# Altium PCB VHDCI_Carrier.PCBDOC (part 3 of 7) (continued)
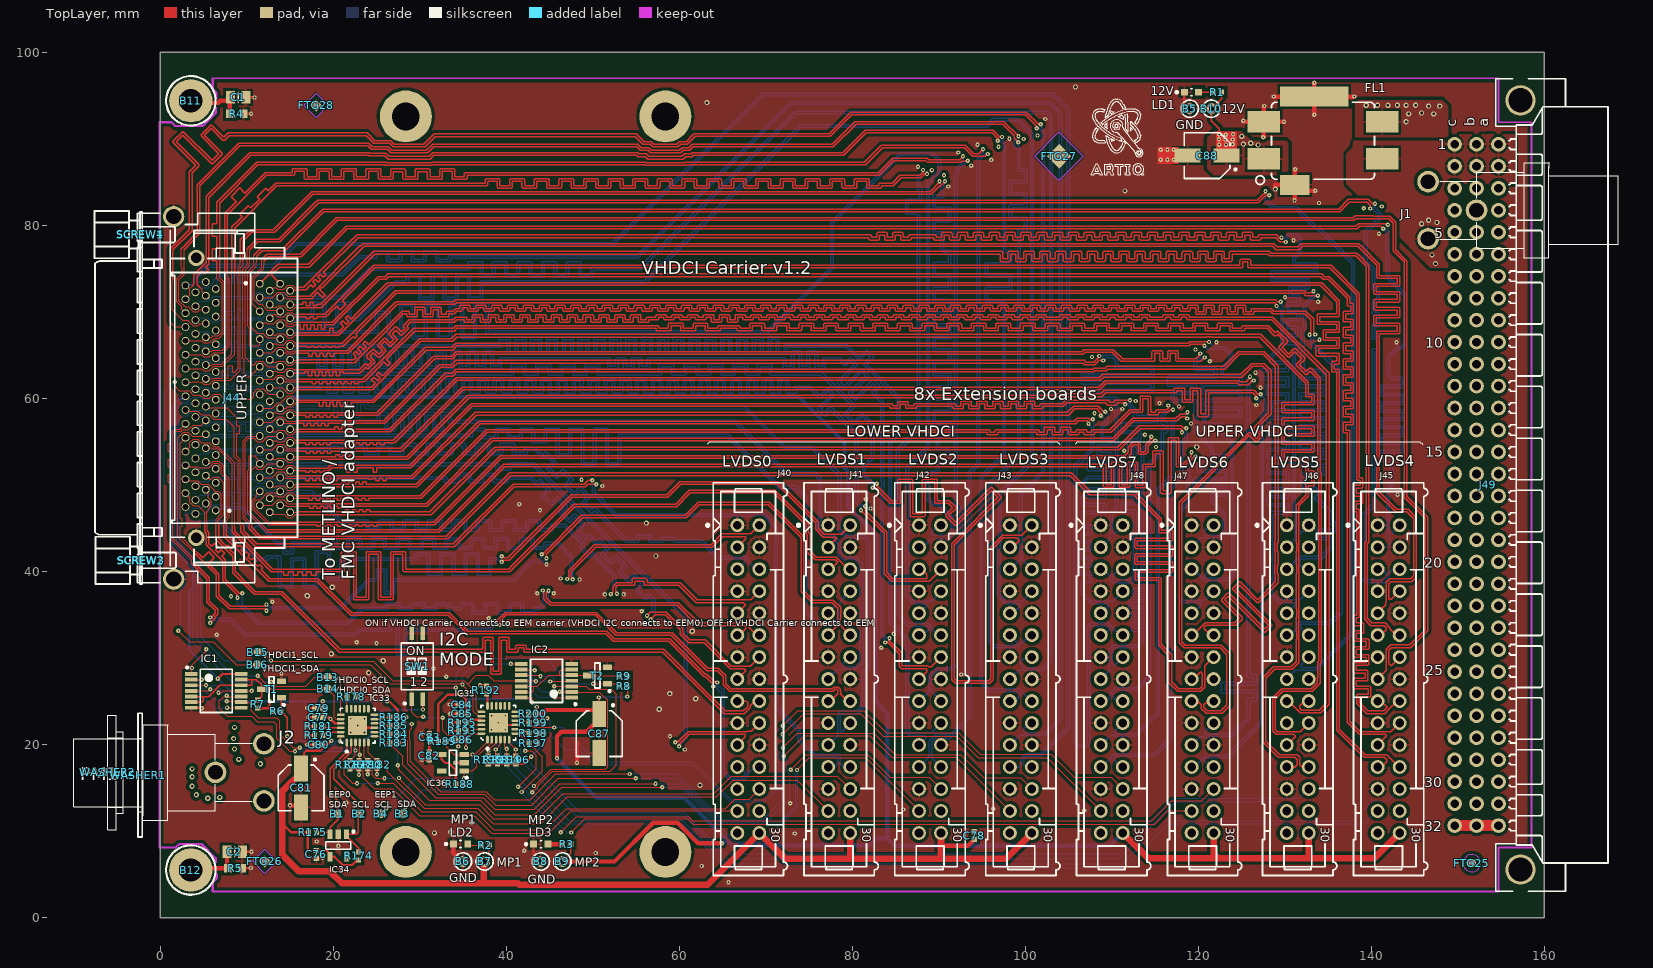
[diagram p0: TopLayer view]
## Nets (pads, with @x,y where several pads share a name; then routed paths per layer and width w, separated by ;. In a path a pad name is that pad's centre, name@x,y a point inside that pad or via, vN(x,y) a via of type N, cw(c..) or ccw(c..) an arc to the next point about the centre after c; other vN are vias at no path point) (continued)
  BottomLayer w0.152: J42.17@87.715,25.036 88.821,26.142 88.821,27.083 88.845,27.108 88.845,27.98 88.9,28.035 88.9,28.071 89.734,28.905 91.335,28.905 91.806,29.376 91.806,42.937 92.4,43.531 92.4,47.206 91.806,47.8 91.806,85.984 92.046,86.224 92.046,86.6 92.039,86.607 92.8,87.368 v1(92.8,88)
LVDS2_6_N: J42.21 J44.L59 | length 189.3
  BottomLayer w0.127: J44.L59@4.095,65.871 4.335,66.111 5.56,66.111 6.041,65.63 6.71,65.63 6.991,65.911 11.929,65.911 12.41,65.43 13.128,65.43 13.61,65.911 14.278,65.911 14.76,65.43 15.29,65.43 15.804,65.944 16.003,65.944 16.028,65.919
  BottomLayer w0.152: 16.028,65.919 39.357,65.919 ccw(c39.357,66.071) 39.51,66.071 39.51,66.807 40.119,66.807 40.119,65.264 ccw(c40.272,65.264) 40.272,65.111 41.186,65.111 ccw(c41.186,65.264) 41.338,65.264 41.338,66.807 41.948,66.807 41.948,65.264 ccw(c42.1,65.264) 42.1,65.111 43.015,65.111 ccw(c43.015,65.264) 43.167,65.264 43.167,66.807 43.777,66.807 43.777,65.264 ccw(c43.929,65.264) 43.929,65.111 44.844,65.111 ccw(c44.844,65.264) 44.996,65.264 44.996,66.807 45.606,66.807 45.606,65.264 ccw(c45.758,65.264) 45.758,65.111 46.672,65.111 ccw(c46.672,65.264) 46.825,65.264 46.825,66.807 47.434,66.807 47.434,65.264 ccw(c47.587,65.264) 47.587,65.111 48.501,65.111 ccw(c48.501,65.264) 48.654,65.264 48.654,66.807 49.263,66.807 49.263,65.264 ccw(c49.416,65.264) 49.416,65.111 50.33,65.111 ccw(c50.33,65.264) 50.482,65.264 50.482,66.807 51.092,66.807 51.092,65.264 ccw(c51.244,65.264) 51.244,65.111 52.159,65.111 ccw(c52.159,65.264) 52.311,65.264 52.311,66.807 52.921,66.807 52.921,65.264 ccw(c53.073,65.264) 53.073,65.111 53.988,65.111 ccw(c53.988,65.264) 54.14,65.264 54.14,66.807 54.75,66.807 54.75,65.264 ccw(c54.902,65.264) 54.902,65.111 55.816,65.111 ccw(c55.816,65.264) 55.969,65.264 55.969,66.807 56.578,66.807 56.578,65.264 ccw(c56.731,65.264) 56.731,65.111 57.645,65.111 ccw(c57.645,65.264) 57.798,65.264 57.798,66.807 58.407,66.807 58.407,65.264 ccw(c58.56,65.264) 58.56,65.111 59.474,65.111 ccw(c59.474,65.264) 59.626,65.264 59.626,66.807 60.236,66.807 60.236,65.264 ccw(c60.388,65.264) 60.388,65.111 61.303,65.111 ccw(c61.303,65.264) 61.455,65.264 61.455,66.807 62.065,66.807 62.065,65.264 ccw(c62.217,65.264) 62.217,65.111 63.132,65.111 ccw(c63.132,65.264) 63.284,65.264 63.284,66.807 63.894,66.807 63.894,65.264 ccw(c64.046,65.264) 64.046,65.111 64.96,65.111 ccw(c64.96,65.264) 65.113,65.264 65.113,66.807 65.722,66.807 65.722,65.264 ccw(c65.875,65.264) 65.875,65.111 66.789,65.111 ccw(c66.789,65.264) 66.942,65.264 66.942,66.807 67.551,66.807 67.551,65.264 ccw(c67.704,65.264) 67.704,65.111 68.618,65.111 ccw(c68.618,65.264) 68.77,65.264 68.77,66.807 69.38,66.807 69.38,65.264 ccw(c69.532,65.264) 69.532,65.111 70.447,65.111 ccw(c70.447,65.264) 70.599,65.264 70.599,66.843 71.209,66.843 71.209,65.264 ccw(c71.361,65.264) 71.361,65.111 72.276,65.111 ccw(c72.276,65.264) 72.428,65.264 72.428,65.919 79.281,65.919 80.723,64.477 ; 80.723,64.477 ccw(c80.831,64.584) 80.939,64.477 81.671,65.209 82.102,64.778 81.37,64.046 ccw(c81.478,63.938) 81.37,63.83 85.2,60 85.2,56.031 84.284,55.116 84.195,55.026 84.195,34.174 84.284,34.084 86.2,32.169 86.2,21.469 86.611,21.058 88.342,21.058 88.5,20.9 88.5,20.741 J42.21@87.715,19.956
LVDS2_6_P: J42.20 J44.L25 | length 189.4
  BottomLayer w0.127: J44.L25@6.445,66.271 6.485,66.23 7.6,66.23 7.791,66.23 7.791,66.673 8.172,66.673 8.172,66.23 8.172,66.165 8.553,66.165 8.553,66.23 8.553,66.673 8.934,66.673 8.934,66.23 9.018,66.23 11.929,66.23 12.41,66.711 13.129,66.711 13.61,66.23 14.279,66.23 14.76,66.711 15.29,66.711 15.804,66.198 16.003,66.198 16.028,66.223
  BottomLayer w0.152: 16.028,66.223 39.205,66.223 39.205,66.96 cw(c39.357,66.96) 39.357,67.112 40.272,67.112 cw(c40.272,66.96) 40.424,66.96 40.424,65.416 41.034,65.416 41.034,66.96 cw(c41.186,66.96) 41.186,67.112 42.1,67.112 cw(c42.1,66.96) 42.253,66.96 42.253,65.416 42.862,65.416 42.862,66.96 cw(c43.015,66.96) 43.015,67.112 43.929,67.112 cw(c43.929,66.96) 44.082,66.96 44.082,65.416 44.691,65.416 44.691,66.96 cw(c44.844,66.96) 44.844,67.112 45.758,67.112 cw(c45.758,66.96) 45.91,66.96 45.91,65.416 46.52,65.416 46.52,66.96 cw(c46.672,66.96) 46.672,67.112 47.587,67.112 cw(c47.587,66.96) 47.739,66.96 47.739,65.416 48.349,65.416 48.349,66.96 cw(c48.501,66.96) 48.501,67.112 49.416,67.112 cw(c49.416,66.96) 49.568,66.96 49.568,65.416 50.178,65.416 50.178,66.96 cw(c50.33,66.96) 50.33,67.112 51.244,67.112 cw(c51.244,66.96) 51.397,66.96 51.397,65.416 52.006,65.416 52.006,66.96 cw(c52.159,66.96) 52.159,67.112 53.073,67.112 cw(c53.073,66.96) 53.226,66.96 53.226,65.416 53.835,65.416 53.835,66.96 cw(c53.988,66.96) 53.988,67.112 54.902,67.112 cw(c54.902,66.96) 55.054,66.96 55.054,65.416 55.664,65.416 55.664,66.96 cw(c55.816,66.96) 55.816,67.112 56.731,67.112 cw(c56.731,66.96) 56.883,66.96 56.883,65.416 57.493,65.416 57.493,66.96 cw(c57.645,66.96) 57.645,67.112 58.56,67.112 cw(c58.56,66.96) 58.712,66.96 58.712,65.416 59.322,65.416 59.322,66.96 cw(c59.474,66.96) 59.474,67.112 60.388,67.112 cw(c60.388,66.96) 60.541,66.96 60.541,65.416 61.15,65.416 61.15,66.96 cw(c61.303,66.96) 61.303,67.112 62.217,67.112 cw(c62.217,66.96) 62.37,66.96 62.37,65.416 62.979,65.416 62.979,66.96 cw(c63.132,66.96) 63.132,67.112 64.046,67.112 cw(c64.046,66.96) 64.198,66.96 64.198,65.416 64.808,65.416 64.808,66.96 cw(c64.96,66.96) 64.96,67.112 65.875,67.112 cw(c65.875,66.96) 66.027,66.96 66.027,65.416 66.637,65.416 66.637,66.96 cw(c66.789,66.96) 66.789,67.112 67.704,67.112 cw(c67.704,66.96) 67.856,66.96 67.856,65.416 68.466,65.416 68.466,66.96 cw(c68.618,66.96) 68.618,67.112 69.532,67.112 cw(c69.532,66.96) 69.685,66.96 69.685,65.416 70.294,65.416 70.294,66.996 cw(c70.447,66.996) 70.447,67.148 71.361,67.148 cw(c71.361,66.996) 71.514,66.996 71.514,65.416 72.123,65.416 72.123,66.071 cw(c72.276,66.071) 72.276,66.223 79.408,66.223 80.831,64.8 81.564,65.532 cw(c81.671,65.425) 81.779,65.532 82.426,64.886 ; 82.425,64.886 cw(c82.318,64.778) 82.47,64.778 cw(c82.318,64.778) 82.426,64.67 81.693,63.938 85.505,60.126 85.505,55.905 84.5,54.9 84.5,34.3 86.505,32.295 86.505,21.595 86.737,21.363 89.122,21.363 J42.20@90.255,22.496
LVDS2_7_N: J42.24 J44.L60 | length 187.7
  TopLayer w0.127: J44.L60@2.945,66.671 4.789,66.671 5.029,66.43 5.698,66.43 6.179,66.911 6.391,66.911 6.456,66.976 6.815,66.976 7.417,67.579 7.417,73.436 6.884,73.97 6.884,74.652 6.878,74.658
  TopLayer w0.152: 6.878,74.658 6.878,82.578 11.3,87 26.022,87 26.063,86.958 30.384,86.958 31.507,86.958 31.548,87 56.022,87 56.063,86.958 60.737,86.958 60.778,87 81.531,87 83.516,88.984 92.916,88.984 93.905,87.995 95.382,87.995 v1(95.642,88.256)
  BottomLayer w0.152: J42.24@90.255,17.416 90.239,17.416 89.137,18.518 89.205,18.586 89.205,20.3 89.252,20.347 89.252,20.372 89.839,20.959 90.67,20.959 90.975,20.654 91.254,20.654 93.7,23.1 93.7,51.3 94.729,52.329 94.729,87.571 95.415,88.256 v1(95.642,88.256)
LVDS2_7_P: J42.23 J44.L26 | length 187.1
  TopLayer w0.127: J44.L26@5.295,67.071 5.98,67.071 6.139,67.23 6.71,67.23 7.163,67.684 7.163,73.331 6.567,73.928 6.567,74.715 6.573,74.722
  TopLayer w0.152: 6.573,74.722 6.573,75.2 6.573,75.911 6.039,75.911 6.039,77.334 6.573,77.334 6.573,78.756 6.039,78.756 6.039,80.178 6.573,80.178 6.573,81 6.573,82.704 11.174,87.305 26.148,87.305 26.189,87.263 31.381,87.263 31.422,87.305 56.148,87.305 56.189,87.263 60.611,87.263 60.652,87.305 81.405,87.305 83.3,89.2 83.389,89.289 93.042,89.289 93.131,89.2 94.031,88.3 94.6,88.3 v1(95.1,88.8)
  BottomLayer w0.152: J42.23@87.715,17.416 87.731,17.416 88.832,18.518 88.832,18.644 88.9,18.712 88.9,20.451 89.713,21.264 90.797,21.264 91.101,20.959 91.128,20.959 93.395,23.226 93.395,51.426 93.484,51.516 94.425,52.456 94.425,87.697 94.514,87.786 95.164,88.436 95.164,88.664 v1@95.199,88.699
LVDS3_0_N: J43.3 J44.L55 | length 190.2
  TopLayer w0.152: v1(82.362,49.701) 82.607,49.701 84.414,47.895 85.416,47.895 ccw(c85.416,48.048) 85.569,48.048 85.569,50.384 86.686,50.384 86.686,46.512 ccw(c86.839,46.512) 86.839,46.359 88.261,46.359 ccw(c88.261,46.512) 88.414,46.512 88.414,50.384 89.531,50.384 89.531,48.048 ccw(c89.684,48.048) 89.684,47.895 91.105,47.895 91.617,47.383 90.83,46.596 ; 90.829,46.595 ccw(c90.937,46.488) 90.829,46.38 91.835,45.374 ccw(c91.943,45.482) 92.051,45.374 96.046,49.37 96.836,48.579 92.248,43.991 92.248,43.955 91.521,43.228 91.521,27.5 91.926,27.094 95.884,27.094 96.29,27.5 96.29,42.71 97.475,43.895 99.005,43.895 99.32,43.58 98.556,42.816 J43.3@98.215,42.816
  BottomLayer w0.127: J44.L55@4.095,62.671 4.335,62.911 5.56,62.911 6.041,62.43 6.71,62.43 6.991,62.711 11.928,62.711 12.41,62.23 13.128,62.23 13.61,62.711 14.278,62.711 14.76,62.23 15.29,62.23 15.804,62.744 16.028,62.744 16.053,62.719
  BottomLayer w0.152: 16.053,62.719 40.711,62.719 ccw(c40.711,62.871) 40.864,62.871 40.864,63.689 41.981,63.689 41.981,62.871 ccw(c42.134,62.871) 42.134,62.719 43.556,62.719 ccw(c43.556,62.871) 43.708,62.871 43.708,63.689 44.826,63.689 44.826,62.871 ccw(c44.978,62.871) 44.978,62.719 46.401,62.719 ccw(c46.401,62.871) 46.553,62.871 46.553,63.689 47.671,63.689 47.671,62.871 ccw(c47.823,62.871) 47.823,62.719 49.246,62.719 ccw(c49.246,62.871) 49.398,62.871 49.398,63.689 50.516,63.689 50.516,62.871 ccw(c50.668,62.871) 50.668,62.719 57.811,62.719 ccw(c57.811,62.871) 57.964,62.871 57.964,63.689 59.081,63.689 59.081,62.871 ccw(c59.234,62.871) 59.234,62.719 60.656,62.719 ccw(c60.656,62.871) 60.808,62.871 60.808,63.689 61.926,63.689 61.926,62.871 ccw(c62.078,62.871) 62.078,62.719 63.501,62.719 ccw(c63.501,62.871) 63.653,62.871 63.653,63.689 64.771,63.689 64.771,62.871 ccw(c64.923,62.871) 64.923,62.719 66.346,62.719 ccw(c66.346,62.871) 66.498,62.871 66.498,63.689 67.616,63.689 67.616,62.871 ccw(c67.768,62.871) 67.768,62.719 69.19,62.719 ccw(c69.19,62.871) 69.343,62.871 69.343,63.689 70.46,63.689 70.46,62.871 ccw(c70.613,62.871) 70.613,62.719 76.381,62.719 79.951,59.149 79.102,58.301 ccw(c79.21,58.193) 79.102,58.085 ; 79.103,58.085 80.108,57.079 ccw(c80.216,57.187) 80.324,57.079 ; 80.324,57.08 81.172,57.928 82.2,56.9 82.2,53.231 81.215,52.246 81.215,51.094 81.304,51.004 82.424,49.884 82.424,49.764 v1(82.362,49.701)
LVDS3_0_P: J43.2 J44.L21 | length 193.8
  TopLayer w0.152: v1(82.823,50.163) 82.823,49.917 84.54,48.2 85.264,48.2 85.264,50.536 cw(c85.416,50.536) 85.416,50.689 86.839,50.689 cw(c86.839,50.536) 86.991,50.536 86.991,46.664 88.109,46.664 88.109,50.536 cw(c88.261,50.536) 88.261,50.689 89.684,50.689 cw(c89.684,50.536) 89.836,50.536 89.836,48.2 91.231,48.2 91.94,47.491 ; 91.94,47.491 cw(c91.832,47.383) 91.985,47.383 cw(c91.832,47.383) 91.94,47.275 91.153,46.488 91.943,45.697 95.938,49.693 cw(c96.046,49.585) 96.154,49.693 97.159,48.688 ; 92.442,27.374 95.768,27.374 ; 96.366,43.182 96.01,42.826 ; 97.16,48.687 cw(c97.052,48.579) 97.204,48.579 cw(c97.052,48.579) 97.16,48.472 91.8,43.112 91.8,27.616 92.042,27.374 95.768,27.374 ; J43.2@100.755,45.356 99.599,44.2 97.384,44.2 96.01,42.826 ; 95.768,27.374 96.01,27.616 96.01,42.826
  BottomLayer w0.127: J44.L21@6.445,63.071 6.485,63.03 7.3,63.03 7.618,63.03 7.618,63.473 8.253,63.473 8.253,63.03 8.253,62.965 8.888,62.965 8.888,63.03 8.888,63.473 9.523,63.473 9.523,63.03 9.523,62.965 10.158,62.965 10.158,63.03 10.7,63.03 11.929,63.03 12.41,63.511 13.129,63.511 13.61,63.03 14.278,63.03 14.76,63.511 15.29,63.511 15.804,62.998 16.028,62.998 16.053,63.023
  BottomLayer w0.152: 16.053,63.023 40.559,63.023 40.559,63.841 cw(c40.711,63.841) 40.711,63.994 42.134,63.994 cw(c42.134,63.841) 42.286,63.841 42.286,63.023 43.404,63.023 43.404,63.841 cw(c43.556,63.841) 43.556,63.994 44.978,63.994 cw(c44.978,63.841) 45.131,63.841 45.131,63.023 46.248,63.023 46.248,63.841 cw(c46.401,63.841) 46.401,63.994 47.823,63.994 cw(c47.823,63.841) 47.976,63.841 47.976,63.023 49.093,63.023 49.093,63.841 cw(c49.246,63.841) 49.246,63.994 50.668,63.994 cw(c50.668,63.841) 50.82,63.841 50.82,63.023 57.659,63.023 57.659,63.841 cw(c57.811,63.841) 57.811,63.994 59.234,63.994 cw(c59.234,63.841) 59.386,63.841 59.386,63.023 60.504,63.023 60.504,63.841 cw(c60.656,63.841) 60.656,63.994 62.078,63.994 cw(c62.078,63.841) 62.231,63.841 62.231,63.023 63.348,63.023 63.348,63.841 cw(c63.501,63.841) 63.501,63.994 64.923,63.994 cw(c64.923,63.841) 65.076,63.841 65.076,63.023 66.193,63.023 66.193,63.841 cw(c66.346,63.841) 66.346,63.994 67.768,63.994 cw(c67.768,63.841) 67.92,63.841 67.92,63.023 69.038,63.023 69.038,63.841 cw(c69.19,63.841) 69.19,63.994 70.613,63.994 cw(c70.613,63.841) 70.765,63.841 70.765,63.023 76.508,63.023 80.274,59.257 cw(c80.166,59.149) 80.319,59.149 cw(c80.166,59.149) 80.274,59.041 79.426,58.193 80.216,57.403 81.064,58.251 cw(c81.172,58.143) 81.28,58.251 82.505,57.026 82.505,53.105 81.52,52.12 81.52,51.22 82.64,50.1 82.76,50.1 v1(82.823,50.163)
LVDS3_1_N: J43.6 J44.L62 | length 190.6
  TopLayer w0.127: 1.181,73.642 1.175,73.636 1.175,68.8 1.704,68.271 J44.L62@2.795,68.271
  TopLayer w0.152: 1.181,73.642 1.181,77.312 3.4,79.531 3.4,86.231 4.13,86.961 1.536,89.555 cw(c1.643,89.662) 1.536,89.771 ; 1.536,89.77 2.541,90.776 cw(c2.649,90.668) 2.757,90.775 6.019,87.514 6.809,88.304 4.791,90.323 cw(c4.898,90.43) 4.791,90.539 ; 4.791,90.538 5.796,91.544 cw(c5.904,91.436) 6.012,91.544 7.362,90.194 7.874,90.705 23.926,90.705 24.831,89.8 26.67,89.8 27.073,89.397 30.497,89.397 31.584,90.484 31.674,90.574 55.057,90.574 55.147,90.484 55.931,89.7 56.77,89.7 57.073,89.397 59.727,89.397 60.03,89.7 60.8,89.7 61.589,90.489 61.716,90.616 77.316,90.616 79.805,93.105 100.126,93.105 101.543,91.688 v1(101.788,91.688)
  BottomLayer w0.152: J43.6@100.755,40.276 99.637,41.394 99.637,42.209 99.65,42.222 99.65,43.41 99.637,43.423 99.637,44.875 99.625,44.888 99.625,48.825 102.205,51.405 102.205,91.026 101.788,91.443 v1(101.788,91.688)
LVDS3_1_P: J43.5 J44.L28 | length 191
  TopLayer w0.127: 1.486,73.706 1.492,73.699 1.492,73.436 1.429,73.373 1.429,70.256 2.62,69.064 3.196,69.064 3.829,68.43 4.36,68.43 4.601,68.671 J44.L28@5.295,68.671
  TopLayer w0.152: 1.486,73.706 1.486,77.186 3.705,79.405 3.705,86.105 4.453,86.853 ccw(c4.345,86.961) 4.498,86.961 ccw(c4.345,86.961) 4.452,87.069 1.859,89.662 2.649,90.453 5.911,87.191 ccw(c6.019,87.298) 6.127,87.191 7.132,88.197 ccw(c7.025,88.304) 7.177,88.304 ccw(c7.025,88.304) 7.132,88.413 5.114,90.43 5.904,91.221 7.255,89.87 ccw(c7.362,89.978) 7.471,89.871 8,90.4 23.8,90.4 24.705,89.495 26.544,89.495 26.947,89.092 30.623,89.092 31.8,90.269 54.931,90.269 55.805,89.395 56.644,89.395 56.947,89.092 59.853,89.092 60.156,89.395 60.926,89.395 61.842,90.311 77.442,90.311 77.531,90.4 79.931,92.8 100,92.8 101.327,91.473 v1(101.327,91.227)
  BottomLayer w0.152: J43.5@98.215,40.276 99.332,41.394 99.332,42.335 99.345,42.348 99.345,43.284 99.32,43.309 99.32,48.951 101.9,51.531 101.9,90.9 101.573,91.227 v1(101.327,91.227)
LVDS3_2_N: J43.9 J44.L63 | length 192.2
  BottomLayer w0.127: J44.L63@4.095,69.071 4.335,69.311 5.56,69.311 6.041,68.83 6.71,68.83 6.991,69.111 11.929,69.111 12.41,68.63 13.128,68.63 13.61,69.112 14.278,69.112 14.76,68.63 15.29,68.63 15.804,69.144
  BottomLayer w0.152: 15.804,69.144 15.935,69.144 16.05,69.029 16.789,69.029 16.815,69.004 17.611,69.004 ccw(c17.611,69.156) 17.764,69.156 17.764,70.817 18.881,70.817 18.881,68.382 ccw(c19.034,68.382) 19.034,68.23 20.456,68.23 ccw(c20.456,68.382) 20.608,68.382 20.608,70.817 21.726,70.817 21.726,69.156 ccw(c21.878,69.156) 21.878,69.004 23.004,69.004 23.144,69.144 27.295,73.295 28.611,73.295 ccw(c28.611,73.448) 28.764,73.448 28.764,74.144 29.881,74.144 29.881,71.571 ccw(c30.034,71.571) 30.034,71.419 31.456,71.419 ccw(c31.456,71.571) 31.608,71.571 31.608,74.144 32.726,74.144 32.726,71.571 ccw(c32.878,71.571) 32.878,71.419 34.301,71.419 ccw(c34.301,71.571) 34.453,71.571 34.453,74.144 35.571,74.144 35.571,71.571 ccw(c35.723,71.571) 35.723,71.419 37.146,71.419 ccw(c37.146,71.571) 37.298,71.571 37.298,73.295 56.095,73.295 74.14,91.34 95.64,91.34 96.4,92.1 99,92.1 100.6,90.5 100.6,52.731 96.907,49.038 96.907,43.537 96.78,43.41 96.78,37.189 97.674,36.295 99.305,36.295 99.5,36.1 98.596,35.196 J43.9@98.215,35.196
LVDS3_2_P: J43.8 J44.L29 | length 192
  BottomLayer w0.127: J44.L29@6.445,69.471 6.55,69.365 7.4,69.365 7.718,69.365 7.718,69.719 8.353,69.719 8.353,69.365 8.988,69.365 8.988,70.273 9.623,70.273 9.623,69.365 10.258,69.365 10.364,69.365 11.864,69.365 12.41,69.911 13.129,69.911 13.61,69.43 14.278,69.43 14.76,69.911 15.29,69.911 15.646,69.555 15.919,69.555
  BottomLayer w0.152: 15.919,69.555 16.166,69.309 16.815,69.309 17.459,69.309 17.459,70.969 cw(c17.611,70.969) 17.611,71.121 19.034,71.121 cw(c19.034,70.969) 19.186,70.969 19.186,68.535 20.304,68.535 20.304,70.969 cw(c20.456,70.969) 20.456,71.121 21.878,71.121 cw(c21.878,70.969) 22.031,70.969 22.031,69.309 22.878,69.309 27.169,73.6 28.459,73.6 28.459,74.296 cw(c28.611,74.296) 28.611,74.449 30.034,74.449 cw(c30.034,74.296) 30.186,74.296 30.186,71.724 31.304,71.724 31.304,74.296 cw(c31.456,74.296) 31.456,74.449 32.878,74.449 cw(c32.878,74.296) 33.031,74.296 33.031,71.724 34.148,71.724 34.148,74.296 cw(c34.301,74.296) 34.301,74.449 35.723,74.449 cw(c35.723,74.296) 35.876,74.296 35.876,71.724 36.993,71.724 36.993,73.448 cw(c37.146,73.448) 37.146,73.6 55.969,73.6 74.014,91.645 95.514,91.645 96.184,92.316 96.274,92.405 99.126,92.405 100.905,90.626 100.905,52.605 97.212,48.912 97.212,43.411 97.085,43.284 97.085,37.315 97.8,36.6 99.619,36.6 J43.8@100.755,37.736
LVDS3_3_N: J43.12 J44.L64 | length 190.6
  TopLayer w0.127: 2.477,77.308 2.477,75.223 2.541,75.16 2.541,74.427 1.931,73.817 1.931,71.172 2.49,70.613 2.49,70.326 J44.L64@2.945,69.871
  TopLayer w0.152: 2.477,77.308 2.889,77.72 2.889,77.795 4.3,79.206 4.3,84.731 9.074,89.505 24.12,89.505 24.536,89.089 26.375,89.089 26.779,88.686 30.791,88.686 31.503,89.397 55.228,89.397 55.636,88.989 56.475,88.989 56.779,88.686 60.021,88.686 60.325,88.989 61.095,88.989 61.503,89.397 77.697,89.397 80.305,92.005 97.511,92.005 v1(99.215,90.3)
  BottomLayer w0.152: v1@99.194,90.321 98.698,89.825 98.698,89.158 99.095,88.761 99.095,86.489 ccw(c99.248,86.489) 99.248,86.336 99.889,86.336 99.889,85.219 98.259,85.219 ccw(c98.259,85.066) 98.106,85.066 98.106,83.644 ccw(c98.259,83.644) 98.259,83.492 99.889,83.492 99.889,82.374 98.259,82.374 ccw(c98.259,82.222) 98.106,82.222 98.106,80.799 ccw(c98.259,80.799) 98.259,80.647 99.889,80.647 99.889,79.529 99.248,79.529 ccw(c99.248,79.377) 99.095,79.377 99.095,53.501 95.795,50.201 95.795,31.874 96.474,31.195 99.026,31.195 100.487,32.656 J43.12@100.755,32.656
LVDS3_3_P: J43.11 J44.L30 | length 189.9
  TopLayer w0.127: 2.795,77.195 2.795,74.322 2.185,73.712 2.185,71.325 2.897,70.613 3.247,70.613 3.829,70.03 4.36,70.03 4.601,70.271 J44.L30@5.295,70.271
  TopLayer w0.152: 2.795,77.195 3.194,77.594 3.194,77.668 4.605,79.08 4.605,84.605 9.2,89.2 23.994,89.2 24.41,88.784 26.249,88.784 26.652,88.381 30.918,88.381 31.629,89.092 55.102,89.092 55.51,88.684 56.349,88.684 56.652,88.381 60.148,88.381 60.451,88.684 61.221,88.684 61.629,89.092 77.823,89.092 77.931,89.2 80.431,91.7 97.384,91.7 98.737,90.348 98.737,90.102 99.017,89.821 99.177,89.821 v1(99.177,89.627)
  BottomLayer w0.152: J43.11@98.215,32.656 99,31.871 99,31.6 98.9,31.5 96.6,31.5 96.1,32 96.1,50.075 99.4,53.375 99.4,79.224 100.041,79.224 ccw(c100.041,79.377) 100.194,79.377 100.194,80.799 ccw(c100.041,80.799) 100.041,80.952 98.411,80.952 98.411,82.069 100.041,82.069 ccw(c100.041,82.222) 100.194,82.222 100.194,83.644 ccw(c100.041,83.644) 100.041,83.796 98.411,83.796 98.411,84.914 100.041,84.914 ccw(c100.041,85.066) 100.194,85.066 100.194,86.489 ccw(c100.041,86.489) 100.041,86.641 99.4,86.641 99.4,88.761 99.4,88.994 99.177,89.217 v1(99.177,89.627)
LVDS3_4_N: J43.15 J44.L65 | length 192.3
  BottomLayer w0.127: J44.L65@4.095,70.671 4.654,71.23 5.56,71.23 6.137,71.807 10.755,71.807 11.26,72.311 11.79,72.311 12.271,71.83 13.128,71.83 13.61,72.312 14.14,72.312 14.644,71.807 15.977,71.807 16.003,71.833
  BottomLayer w0.152: 16.003,71.833 20.9,71.833 24.227,75.16 35.559,75.16 35.559,75.641 cw(c35.711,75.641) 35.711,75.794 37.134,75.794 cw(c37.134,75.641) 37.286,75.641 37.286,74.311 38.404,74.311 38.404,75.641 cw(c38.556,75.641) 38.556,75.794 39.978,75.794 cw(c39.978,75.641) 40.131,75.641 40.131,74.311 41.248,74.311 41.248,75.641 cw(c41.401,75.641) 41.401,75.794 42.823,75.794 cw(c42.823,75.641) 42.976,75.641 42.976,74.311 44.093,74.311 44.093,75.641 cw(c44.246,75.641) 44.246,75.794 45.668,75.794 cw(c45.668,75.641) 45.82,75.641 45.82,74.311 46.938,74.311 46.938,75.641 cw(c47.09,75.641) 47.09,75.794 48.513,75.794 cw(c48.513,75.641) 48.665,75.641 48.665,74.311 49.783,74.311 49.783,75.008 cw(c49.935,75.008) 49.935,75.16 55.36,75.16 73.405,93.205 102.626,93.205 103.016,92.816 103.105,92.726 103.105,29.574 103.016,29.484 102.11,28.579 99.218,28.579 J43.15@98.215,27.576
LVDS3_4_P: J43.14 J44.L31 | length 191.9
  BottomLayer w0.127: J44.L31@6.445,71.071 6.927,71.553 7.4,71.553 7.4,70.1 8.511,70.1 8.6,70.189 8.6,71.553 10.737,71.553 11.26,71.03 11.79,71.03 12.271,71.512 13.129,71.512 13.61,71.031 14.14,71.031 14.663,71.553 15.977,71.553 16.003,71.528
  BottomLayer w0.152: 16.003,71.528 21.026,71.528 24.354,74.855 35.711,74.855 ccw(c35.711,75.008) 35.864,75.008 35.864,75.489 36.981,75.489 36.981,74.159 ccw(c37.134,74.159) 37.134,74.006 38.556,74.006 ccw(c38.556,74.159) 38.708,74.159 38.708,75.489 39.826,75.489 39.826,74.159 ccw(c39.978,74.159) 39.978,74.006 41.401,74.006 ccw(c41.401,74.159) 41.553,74.159 41.553,75.489 42.671,75.489 42.671,74.159 ccw(c42.823,74.159) 42.823,74.006 44.246,74.006 ccw(c44.246,74.159) 44.398,74.159 44.398,75.489 45.516,75.489 45.516,74.159 ccw(c45.668,74.159) 45.668,74.006 47.09,74.006 ccw(c47.09,74.159) 47.243,74.159 47.243,75.489 48.36,75.489 48.36,74.159 ccw(c48.513,74.159) 48.513,74.006 49.935,74.006 ccw(c49.935,74.159) 50.088,74.159 50.088,74.855 55.486,74.855 73.531,92.9 102.5,92.9 102.8,92.6 102.8,29.7 102,28.9 99.9,28.9 99.35,29.45 99.8,29.9 100.2,29.9 100.416,30.116 J43.14@100.755,30.116
LVDS3_5_N: J43.18 J44.L66 | length 190.8
  TopLayer w0.127: J44.L66@2.945,71.471 3.454,71.98 3.454,72.734 3.725,73.005
  TopLayer w0.152: 3.725,73.005 3.921,73.2 3.921,74.316 5.348,75.743 5.348,76.729 5.328,76.748 5.328,83.359 10.374,88.405 24.215,88.405 24.242,88.378 26.081,88.378 26.484,87.974 31.086,87.974 31.516,88.405 55.215,88.405 55.342,88.278 56.181,88.278 56.484,87.974 60.316,87.974 60.619,88.278 61.389,88.278 61.516,88.405 78.905,88.405 81.505,91.005 96.276,91.005 97.058,90.223 v1(97.309,90.223)
  BottomLayer w0.152: v1(97.309,90.223) 97.309,89.972 97.7,89.581 97.7,77.128 98.303,77.128 cw(c98.303,76.989) 98.443,76.989 98.443,75.566 cw(c98.303,75.566) 98.303,75.427 95.661,75.427 95.661,74.284 98.303,74.284 cw(c98.303,74.144) 98.443,74.144 98.443,72.722 cw(c98.303,72.722) 98.303,72.582 95.661,72.582 95.661,71.439 97.56,71.439 cw(c97.56,71.299) 97.7,71.299 97.7,53.469 95.016,50.784 95.016,27.284 95.854,26.446 99.285,26.446 100.695,25.036 J43.18@100.755,25.036
LVDS3_5_P: J43.17 J44.L32 | length 190.5
  TopLayer w0.127: 4.646,72.823 4.862,72.607 4.862,72.303 J44.L32@5.295,71.871
  TopLayer w0.152: 4.646,72.823 4.3,73.169 4.3,74.2 4.8,74.7 5.1,74.4 5.6,74.9 5.3,75.2 5.633,75.533 5.633,83.233 10.5,88.1 24.088,88.1 24.116,88.073 25.955,88.073 26.358,87.67 31.212,87.67 31.643,88.1 55.088,88.1 55.216,87.973 56.055,87.973 56.358,87.67 60.442,87.67 60.745,87.973 61.515,87.973 61.643,88.1 79.031,88.1 81.631,90.7 96.15,90.7 96.8,90.05 v1(96.8,89.8)
  BottomLayer w0.152: v1(96.8,89.8) 97.05,89.8 97.421,89.43 97.421,76.989 ccw(c97.56,76.989) 97.56,76.849 98.163,76.849 98.163,75.706 95.522,75.706 ccw(c95.522,75.566) 95.382,75.566 95.382,74.144 ccw(c95.522,74.144) 95.522,74.004 98.163,74.004 98.163,72.861 95.522,72.861 ccw(c95.522,72.722) 95.382,72.722 95.382,71.299 ccw(c95.522,71.299) 95.522,71.159 97.421,71.159 97.421,53.621 94.8,51 94.711,50.911 94.711,27.158 94.8,27.069 95.574,26.295 95.728,26.141 99.038,26.141 99.379,25.8 99.379,25.579 98.836,25.036 J43.17@98.215,25.036
LVDS3_6_N: J43.21 J44.L67 | length 192.6
  BottomLayer w0.127: J44.L67@4.095,72.271 4.654,72.83 5.56,72.83 6.188,73.458
  BottomLayer w0.152: 6.188,73.458 6.188,73.703 6.984,74.5 21,74.5 23.005,76.505 24.759,76.505 24.759,76.914 cw(c24.911,76.914) 24.911,77.067 26.334,77.067 cw(c26.334,76.914) 26.486,76.914 26.486,76.093 27.604,76.093 27.604,76.914 cw(c27.756,76.914) 27.756,77.067 29.178,77.067 cw(c29.178,76.914) 29.331,76.914 29.331,76.093 30.448,76.093 30.448,76.914 cw(c30.601,76.914) 30.601,77.067 32.023,77.067 cw(c32.023,76.914) 32.176,76.914 32.176,76.093 33.293,76.093 33.293,76.352 cw(c33.446,76.352) 33.446,76.505 55.105,76.505 72.905,94.305 102.926,94.305 104.205,93.026 104.205,22.974 102.326,21.095 99.354,21.095 J43.21@98.215,19.956
LVDS3_6_P: J43.20 J44.L33 | length 192.1
  BottomLayer w0.127: J44.L33@6.445,72.671 6.59,72.816 6.59,73.71
  BottomLayer w0.152: 6.59,73.71 7.075,74.195 7.342,74.195 7.875,74.195 7.875,73.376 8.408,73.376 8.408,74.195 8.942,74.195 8.942,73.376 9.475,73.376 9.475,74.195 10.009,74.195 10.485,74.195 21.126,74.195 23.131,76.2 24.911,76.2 ccw(c24.911,76.352) 25.064,76.352 25.064,76.762 26.181,76.762 26.181,75.941 ccw(c26.334,75.941) 26.334,75.788 27.756,75.788 ccw(c27.756,75.941) 27.908,75.941 27.908,76.762 29.026,76.762 29.026,75.941 ccw(c29.178,75.941) 29.178,75.788 30.601,75.788 ccw(c30.601,75.941) 30.753,75.941 30.753,76.762 31.871,76.762 31.871,75.941 ccw(c32.023,75.941) 32.023,75.788 33.446,75.788 ccw(c33.446,75.941) 33.598,75.941 33.598,76.2 55.231,76.2 73.031,94 102.8,94 103.9,92.9 103.9,23.1 102.2,21.4 100,21.4 99.7,21.7 100.496,22.496 J43.20@100.755,22.496
LVDS3_7_N: J43.24 J44.L68 | length 192.9
  BottomLayer w0.152: J44.L68@2.945,73.071 3.566,73.071 3.995,73.5 3.995,74.026 5.469,75.5 13.087,75.5 15.587,78 52.269,78 69.569,95.3 103.3,95.3 105.105,93.495 105.105,21.905 101.848,18.648 100.148,18.648 99.8,18.3 99.8,17.7 100.084,17.416 J43.24@100.755,17.416
  BottomLayer w0.254: J43.24@100.755,17.416 J43.24@101.159,17.416
LVDS3_7_P: J43.23 J44.L34 | length 191.7
  BottomLayer w0.152: J44.L34@5.295,73.471 4.329,73.471 4.3,73.5 4.3,73.9 5.595,75.195 13.213,75.195 15.713,77.695 52.395,77.695 69.721,95.021 103.184,95.021 104.8,93.405 104.8,33.4 104.825,33.375 104.825,22.021 101.758,18.953 100.022,18.953 99.584,18.516 99.495,18.426 99.495,17.7 99.211,17.416 J43.23@98.215,17.416